# Altium PCB 4090ovo(003).pcbdoc (part 2 of 3)
Units mil, origin at the board's own origin, x right, y up, seen from the top; angles counter-clockwise.
Board outline 18925 x 10730 mil, 6 copper layers (Top Layer, Inner1, Inner2, Inner3, Inner4, Bottom Layer); 77 components, 121 nets, 755 pads, 1164 vias.
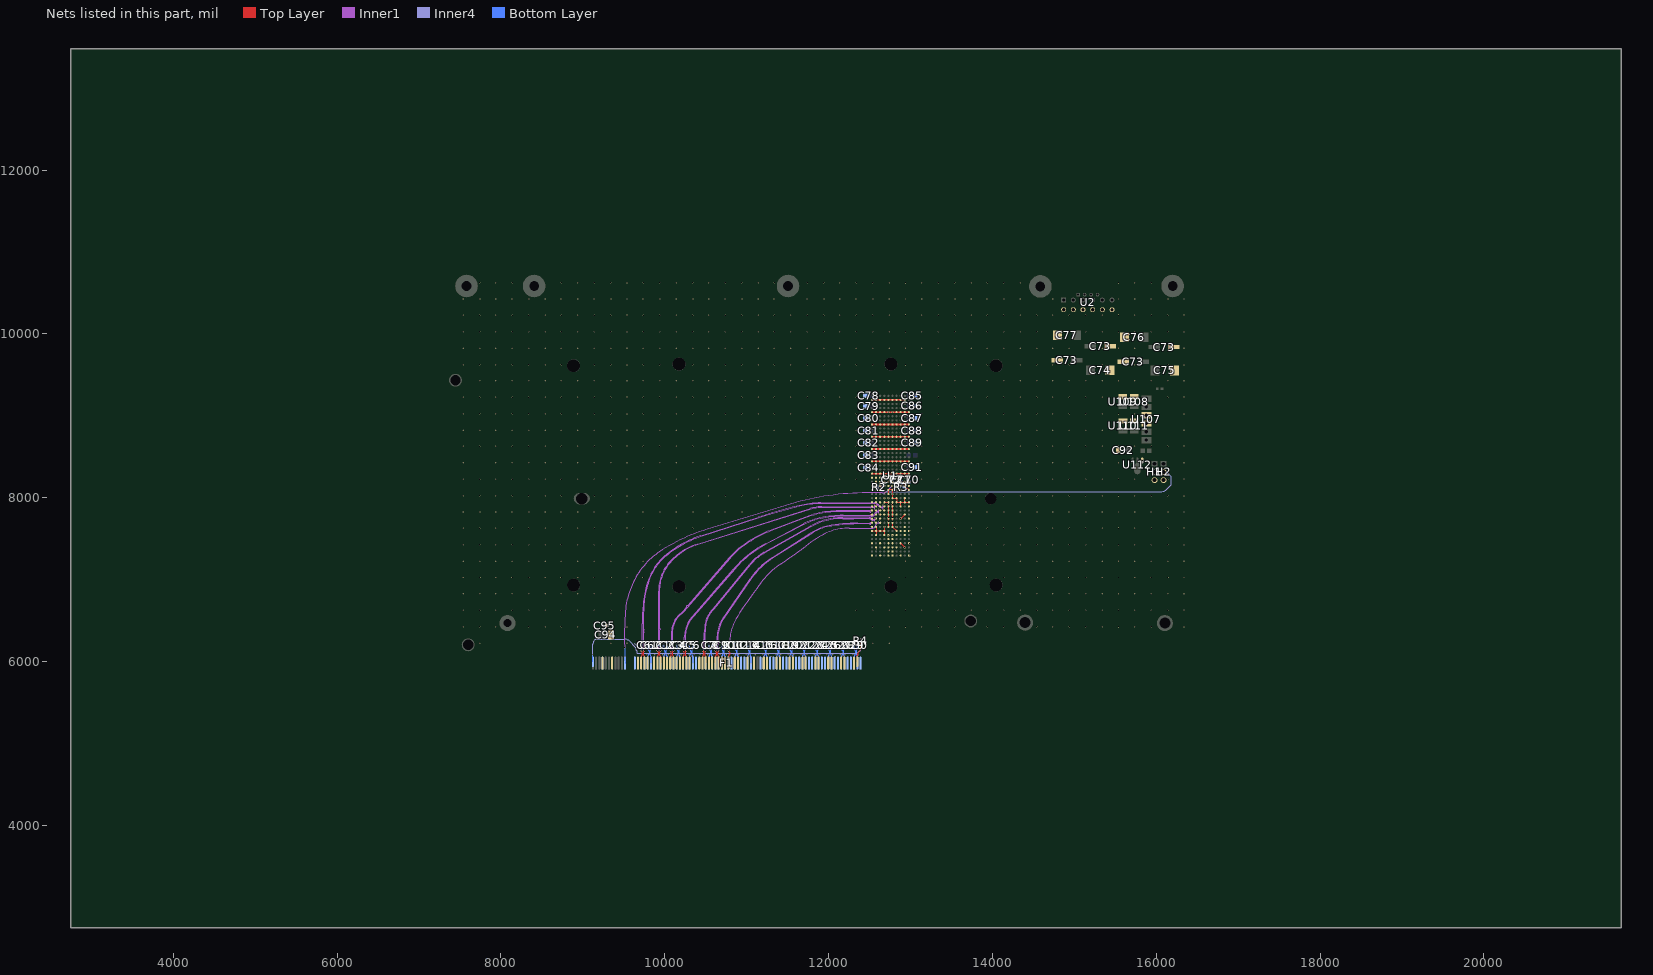
[diagram p6: the nets of this part, all layers, seen from the top]

## Via types
v1: diameter 17.7, hole 11.8, Top Layer to Bottom Layer, 1132 vias
v2: diameter 15, hole 10, Top Layer to Bottom Layer, 32 vias

## Nets (pads, with @x,y where several pads share a name; then routed paths per layer and width w, separated by ;. In a path a pad name is that pad's centre, name@x,y a point inside that pad or via, vN(x,y) a via of type N, cw(c..) or ccw(c..) an arc to the next point about the centre after c; other vN are vias at no path point) (continued)
GND: C70.2 C71.2 C72.2 C73.2 C74.2 C75.2 C76.2 C77.2 C78.2 C79.2 C80.2 C81.2 C82.2 C83.2 C84.2 C85.2 C86.2 C87.2 C88.2 C89.2 C91.2 C92.2 C94.2 C95.2 F1.A4 F1.A12 F1.A15 F1.A18 F1.A20 F1.A23 F1.A24 F1.A27 F1.A28 F1.A31 F1.A34 F1.A37 F1.A38 F1.A41 F1.A42 F1.A45 F1.A46 F1.A49 F1.A51 F1.A54 F1.A55 F1.A58 F1.A59 F1.A62 F1.A63 F1.A66 F1.A67 F1.A70 F1.A71 F1.A74 F1.A75 F1.A78 F1.A79 F1.A82 F1.B4 F1.B7 F1.B13 F1.B16 F1.B18 F1.B21 F1.B22 F1.B25 F1.B26 F1.B29 F1.B32 F1.B35 F1.B36 F1.B39 F1.B40 F1.B43 F1.B44 F1.B47 F1.B49 F1.B52 F1.B53 F1.B56 F1.B57 F1.B60 F1.B61 F1.B64 F1.B65 F1.B68 F1.B69 F1.B72 F1.B73 F1.B76 F1.B77 F1.B80 H1.3 H2.3 R2.2 R3.2 U1.A1 U1.A4 U1.A7 U1.A10 U1.A13 U1.A14 U1.A17 U1.A21 U1.A24 U1.A27 U1.A30 U1.A33 U1.A36 U1.A39 U1.B3 U1.B6 U1.B7 U1.B8 U1.B11 U1.B14 U1.B15 U1.B18 U1.B19 U1.B21 U1.B24 U1.B27 U1.B30 U1.B33 U1.B36 U1.B39 U1.C1 U1.C4 U1.C7 U1.C10 U1.C13 U1.C14 U1.C17 U1.C21 U1.C24 U1.C27 U1.C30 U1.C33 U1.C36 U1.C39 U1.D3 U1.D6 U1.D7 U1.D8 U1.D11 U1.D14 U1.D15 U1.D18 U1.D19 U1.D21 U1.D24 U1.D27 U1.D30 U1.D33 U1.D36 U1.D39 U1.E1 U1.E2 U1.E3 U1.E4 U1.E5 U1.E6 U1.E8 U1.E9 U1.E10 U1.E11 U1.E12 U1.E13 U1.E14 U1.E15 U1.E16 U1.E17 U1.E19 U1.E21 U1.E24 U1.E27 U1.E30 U1.E33 U1.E36 U1.E39 U1.F1 U1.F2 U1.F3 U1.F4 U1.F5 U1.F6 U1.F8 U1.F9 U1.F10 U1.F11 U1.F12 U1.F13 U1.F14 U1.F15 U1.F16 U1.F17 U1.F19 U1.F21 U1.F24 U1.F27 U1.F30 U1.F33 U1.F36 U1.F39 U1.G3 U1.G6 U1.G7 U1.G8 U1.G11 U1.G14 U1.G15 U1.G18 U1.G19 U1.G21 U1.G24 U1.G27 U1.G30 U1.G33 U1.G36 U1.G39 U1.H1 U1.H4 U1.H7 U1.H10 U1.H13 U1.H14 U1.H17 U1.H19 U1.H21 U1.H24 U1.H27 U1.H30 U1.H33 U1.H36 U1.H39 U1.J3 U1.J6 U1.J8 U1.J11 U1.J14 U1.J15 U1.J18 U1.J19 U1.J21 U1.J24 U1.J27 U1.J30 U1.J33 U1.J36 U1.J39 U1.K1 U1.K4 U1.K7 U1.K10 U1.K13 U1.K14 U1.K17 U1.K19 U1.K21 U1.K24 U1.K27 U1.K30 U1.K33 U1.K36 U2.7 U2.8 U2.9 U2.10 U2.11 U2.12 U107.3 U107.4 U108.2 U109.2 U110.2 U111.2 U112.1 | length 5385.1
  Top Layer w4.5: v1(12779.32,7919.42) cw(c12777.67,7917.77) v1@12780.01,7917.77 ; U1.F10@12780.01,7745 v1(12780,7759.4) ; U1.H13@12880.01,7895 U1.H14@12880.01,7945
  Top Layer w10: U1.A7@12530.01,7595 U1.B7@12580.01,7595 ; U1.B6@12580.01,7545 U1.B7@12580.01,7595 ; U1.B8@12580.01,7645 U1.B7@12580.01,7595 ; U1.D6@12680.01,7545 U1.D7@12680.01,7595 ; v1(12680.01,7645) U1.D7@12680.01,7595 ; U1.D14@12680.01,7945 U1.E14@12730.01,7945 v1(12730.01,7919.42) U1.E13@12730.01,7895 U1.E12@12730.01,7845 U1.E11@12730.01,7795 U1.E10@12730.01,7745 U1.E9@12730.01,7695 U1.E8@12730.01,7645 ; U1.E16@12730.01,8045 U1.E17@12730.01,8095 U1.F17@12780.01,8095 ; U1.F10@12780.01,7745 v1(12780.01,7713.62) U1.F9@12780.01,7695 U1.F8@12780.01,7645 U1.G7@12830.01,7595 ; v1(12780,7759.4) U1.F11@12780.01,7795 U1.F12@12780.01,7845 U1.F13@12780.01,7895 12780.01,7917.77 U1.F14@12780.01,7945 ; U1.F19@12780.01,8195 U1.G19@12830.01,8195 ; U1.H4@12880.01,7445 v1(12930.01,7395) ; v1(12880.01,7745) U1.J11@12930.01,7795 ; U1.J15@12930.01,7995 U1.J14@12930.01,7945 ; U1.K14@12980.01,7945 U1.J14@12930.01,7945 ; U1.K17@12980.01,8095 U1.J18@12930.01,8145 U1.J19@12930.01,8195 ; U1.K19@12980.01,8195 U1.J19@12930.01,8195 ; U1.B7@12580.01,7595 U1.C7@12630.01,7595 U1.D7@12680.01,7595 ; U1.F17@12780.01,8095 U1.G18@12830.01,8145 U1.G19@12830.01,8195 ; U1.F17@12780.01,8095 v1(12780.01,8045) U1.F15@12780.01,7995 U1.G15@12830.01,7995 U1.G14@12830.01,7945 U1.H14@12880.01,7945 U1.J14@12930.01,7945 ; U1.G19@12830.01,8195 U1.H19@12880.01,8195 U1.J19@12930.01,8195
  Top Layer w20: U1.A21@12530.01,8295 U1.B21@12580.01,8295 U1.C21@12630.01,8295 U1.D21@12680.01,8295 U1.E21@12730.01,8295 U1.F21@12780.01,8295 U1.G21@12830.01,8295 U1.H21@12880.01,8295 U1.J21@12930.01,8295 U1.K21@12980.01,8295 ; U1.A24@12530.01,8445 U1.B24@12580.01,8445 U1.C24@12630.01,8445 U1.D24@12680.01,8445 U1.E24@12730.01,8445 U1.F24@12780.01,8445 U1.G24@12830.01,8445 U1.H24@12880.01,8445 U1.J24@12930.01,8445 U1.K24@12980.01,8445 ; U1.A27@12530.01,8595 U1.B27@12580.01,8595 U1.C27@12630.01,8595 U1.D27@12680.01,8595 U1.E27@12730.01,8595 U1.F27@12780.01,8595 U1.G27@12830.01,8595 U1.H27@12880.01,8595 U1.J27@12930.01,8595 U1.K27@12980.01,8595 ; U1.A30@12530.01,8745 U1.B30@12580.01,8745 U1.C30@12630.01,8745 U1.D30@12680.01,8745 U1.E30@12730.01,8745 U1.F30@12780.01,8745 U1.G30@12830.01,8745 U1.H30@12880.01,8745 U1.J30@12930.01,8745 U1.K30@12980.01,8745 ; U1.A33@12530.01,8895 U1.B33@12580.01,8895 U1.C33@12630.01,8895 U1.D33@12680.01,8895 U1.E33@12730.01,8895 U1.F33@12780.01,8895 U1.G33@12830.01,8895 U1.H33@12880.01,8895 U1.J33@12930.01,8895 U1.K33@12980.01,8895 ; U1.A36@12530.01,9045 U1.B36@12580.01,9045 U1.C36@12630.01,9045 U1.D36@12680.01,9045 v1(12730.01,9045) v1(12780.01,9045) U1.G36@12830.01,9045 U1.H36@12880.01,9045 U1.J36@12930.01,9045 U1.K36@12980.01,9045 ; U1.A39@12530.01,9195 U1.B39@12580.01,9195 U1.C39@12630.01,9195 U1.D39@12680.01,9195 U1.E39@12730.01,9195 U1.F39@12780.01,9195 U1.G39@12830.01,9195 U1.H39@12880.01,9195 U1.J39@12930.01,9195
  Inner4 w5.1: 9625,6225 9667.93,6182.07 cw(c9650.86,6165) 9675,6165
  other v1: 9780,6082.9 9880,6082.9 9976.03,6082.9 10040.25,6082.9 10133.73,6082.9 10198.32,6082.9 10292.18,6082.9 10360,6082.9 10435,6082.9 10526.25,6082.9 10591.61,6082.9 10678.18,6082.9 10749.3,6082.9 10841.64,6082.9 10905.85,6082.9 10994.71,6082.9 11102.68,6082.9 11195.78,6082.9 11260.76,6082.9 11352.71,6082.9 11418.45,6082.9 11506.93,6082.9 11576.14,6082.9 11668.86,6082.9 11732.7,6082.9 11822.31,6082.9 11890.39,6082.9 11978.11,6082.9 12051.94,6082.9 12141.18,6082.9 12205.4,6082.9 12293.11,6082.9 12370,6085 7738.91,6226.46 9338.91,6226.46 9538.91,6226.46 12538.91,6226.46 12738.91,6226.46 7538.91,6426.46 7738.91,6426.46 7938.91,6426.46 8338.91,6426.46 8538.91,6426.46 8738.91,6426.46 8938.91,6426.46 9138.91,6426.46 9338.91,6426.46 9538.91,6426.46 12538.91,6426.46 12738.91,6426.46 12938.91,6426.46 13138.91,6426.46 13338.91,6426.46 13538.91,6426.46 13938.91,6426.46 14138.91,6426.46 14538.91,6426.46 14738.91,6426.46 14938.91,6426.46 15138.91,6426.46 15338.91,6426.46 15538.91,6426.46 15738.91,6426.46 15938.91,6426.46 16338.91,6426.46 7538.91,6626.46 7738.91,6626.46 7938.91,6626.46 8138.91,6626.46 8338.91,6626.46 8538.91,6626.46 8738.91,6626.46 8938.91,6626.46 9138.91,6626.46 9338.91,6626.46 12338.91,6626.46 12538.91,6626.46 12738.91,6626.46 12938.91,6626.46 13138.91,6626.46 13338.91,6626.46 13538.91,6626.46 13738.91,6626.46 13938.91,6626.46 14138.91,6626.46 14338.91,6626.46 14538.91,6626.46 14738.91,6626.46 14938.91,6626.46 15138.91,6626.46 15338.91,6626.46 15538.91,6626.46 15738.91,6626.46 15938.91,6626.46 16138.91,6626.46 16338.91,6626.46 7538.91,6826.46 7738.91,6826.46 7938.91,6826.46 8138.91,6826.46 8338.91,6826.46 8538.91,6826.46 8738.91,6826.46 8938.91,6826.46 9138.91,6826.46 9338.91,6826.46 12538.91,6826.46 13138.91,6826.46 13338.91,6826.46 13538.91,6826.46 13738.91,6826.46 13938.91,6826.46 14138.91,6826.46 14338.91,6826.46 14538.91,6826.46 14738.91,6826.46 14938.91,6826.46 15138.91,6826.46 15338.91,6826.46 15538.91,6826.46 15738.91,6826.46 15938.91,6826.46 16138.91,6826.46 16338.91,6826.46 7538.91,7026.46 7738.91,7026.46 7938.91,7026.46 8138.91,7026.46 8338.91,7026.46 8538.91,7026.46 8738.91,7026.46 8938.91,7026.46 9138.91,7026.46 9338.91,7026.46 9538.91,7026.46 9738.91,7026.46 12738.91,7026.46 12938.91,7026.46 13138.91,7026.46 13338.91,7026.46 13538.91,7026.46 13738.91,7026.46 13938.91,7026.46 14138.91,7026.46 14338.91,7026.46 14538.91,7026.46 14738.91,7026.46 14938.91,7026.46 15138.91,7026.46 15338.91,7026.46 15538.91,7026.46 15738.91,7026.46 15938.91,7026.46 16138.91,7026.46 16338.91,7026.46 7538.91,7226.46 7738.91,7226.46 7938.91,7226.46 8138.91,7226.46 8338.91,7226.46 8538.91,7226.46 8738.91,7226.46 8938.91,7226.46 9138.91,7226.46 9338.91,7226.46 9538.91,7226.46 9738.91,7226.46 12938.91,7226.46 13138.91,7226.46 13338.91,7226.46 13538.91,7226.46 13738.91,7226.46 13938.91,7226.46 14138.91,7226.46 14338.91,7226.46 14538.91,7226.46 14738.91,7226.46 14938.91,7226.46 15138.91,7226.46 15338.91,7226.46 15538.91,7226.46 15738.91,7226.46 15938.91,7226.46 16138.91,7226.46 16338.91,7226.46 12995.02,7293.4 12580.01,7378.88 7538.91,7426.46 7738.91,7426.46 7938.91,7426.46 8138.91,7426.46 8338.91,7426.46 8538.91,7426.46 8738.91,7426.46 8938.91,7426.46 9138.91,7426.46 9338.91,7426.46 9538.91,7426.46 9738.91,7426.46 9938.91,7426.46 13138.91,7426.46 13338.91,7426.46 13538.91,7426.46 13738.91,7426.46 13938.91,7426.46 14138.91,7426.46 14338.91,7426.46 14538.91,7426.46 14738.91,7426.46 14938.91,7426.46 15138.91,7426.46 15338.91,7426.46 15538.91,7426.46 15738.91,7426.46 15938.91,7426.46 16138.91,7426.46 16338.91,7426.46 12530,7430.56 12990.02,7443.87 12730.01,7532.79 12779.7,7532.79 12990.02,7595 7538.91,7626.46 7738.91,7626.46 7938.91,7626.46 8138.91,7626.46 8338.91,7626.46 8538.91,7626.46 8738.91,7626.46 8938.91,7626.46 9138.91,7626.46 9338.91,7626.46 9538.91,7626.46 9738.91,7626.46 9938.91,7626.46 10138.91,7626.46 10338.91,7626.46 13138.91,7626.46 13338.91,7626.46 13538.91,7626.46 13738.91,7626.46 13938.91,7626.46 14138.91,7626.46 14338.91,7626.46 14538.91,7626.46 14738.91,7626.46 14938.91,7626.46 15138.91,7626.46 15338.91,7626.46 15538.91,7626.46 15738.91,7626.46 15938.91,7626.46 16138.91,7626.46 16338.91,7626.46 12830.01,7645 12730.12,7713.38 12730.11,7759.4 7538.91,7826.46 7738.91,7826.46 7938.91,7826.46 8138.91,7826.46 8338.91,7826.46 8538.91,7826.46 8738.91,7826.46 8938.91,7826.46 9138.91,7826.46 9338.91,7826.46 9538.91,7826.46 9738.91,7826.46 9938.91,7826.46 10138.91,7826.46 10338.91,7826.46 10538.91,7826.46 10738.91,7826.46 10938.91,7826.46 13138.91,7826.46 13338.91,7826.46 13538.91,7826.46 13738.91,7826.46 13938.91,7826.46 14138.91,7826.46 14338.91,7826.46 14538.91,7826.46 14738.91,7826.46 14938.91,7826.46 15138.91,7826.46 15338.91,7826.46 15538.91,7826.46 15738.91,7826.46 15938.91,7826.46 16138.91,7826.46 16338.91,7826.46 12680.01,7995 12730.01,7995 7538.91,8026.46 7738.91,8026.46 7938.91,8026.46 8138.91,8026.46 8338.91,8026.46 8538.91,8026.46 8738.91,8026.46 9138.91,8026.46 9338.91,8026.46 9538.91,8026.46 9738.91,8026.46 9938.91,8026.46 10138.91,8026.46 10338.91,8026.46 10538.91,8026.46 10738.91,8026.46 10938.91,8026.46 11138.91,8026.46 11338.91,8026.46 11538.91,8026.46 11738.91,8026.46 13138.91,8026.46 13338.91,8026.46 13538.91,8026.46 13738.91,8026.46 14138.91,8026.46 14338.91,8026.46 14538.91,8026.46 14738.91,8026.46 14938.91,8026.46 15138.91,8026.46 15338.91,8026.46 15538.91,8026.46 15738.91,8026.46 15938.91,8026.46 16138.91,8026.46 16338.91,8026.46 12730.01,8195 7538.91,8226.46 7738.91,8226.46 7938.91,8226.46 8138.91,8226.46 8338.91,8226.46 8538.91,8226.46 8738.91,8226.46 8938.91,8226.46 9138.91,8226.46 9338.91,8226.46 9538.91,8226.46 9738.91,8226.46 9938.91,8226.46 10138.91,8226.46 10338.91,8226.46 10538.91,8226.46 10738.91,8226.46 10938.91,8226.46 11138.91,8226.46 11338.91,8226.46 11538.91,8226.46 11738.91,8226.46 11938.91,8226.46 12138.91,8226.46 12338.91,8226.46 13138.91,8226.46 13338.91,8226.46 13538.91,8226.46 13738.91,8226.46 13938.91,8226.46 14138.91,8226.46 14338.91,8226.46 14538.91,8226.46 14738.91,8226.46 14938.91,8226.46 15138.91,8226.46 15338.91,8226.46 15538.91,8226.46 15738.91,8226.46 16138.91,8226.46 16338.91,8226.46 7538.91,8426.46 7938.91,8426.46 8138.91,8426.46 8338.91,8426.46 8538.91,8426.46 8738.91,8426.46 8938.91,8426.46 9138.91,8426.46 9338.91,8426.46 9538.91,8426.46 9738.91,8426.46 9938.91,8426.46 10138.91,8426.46 10338.91,8426.46 10538.91,8426.46 10738.91,8426.46 10938.91,8426.46 11138.91,8426.46 11338.91,8426.46 11538.91,8426.46 11738.91,8426.46 11938.91,8426.46 12138.91,8426.46 12338.91,8426.46 13138.91,8426.46 13338.91,8426.46 13538.91,8426.46 13738.91,8426.46 13938.91,8426.46 14138.91,8426.46 14338.91,8426.46 14538.91,8426.46 14738.91,8426.46 14938.91,8426.46 15138.91,8426.46 15338.91,8426.46 15538.91,8426.46 16338.91,8426.46 15829.1,8454.2 7538.91,8626.46 7738.91,8626.46 7938.91,8626.46 8138.91,8626.46 8338.91,8626.46 8538.91,8626.46 8738.91,8626.46 8938.91,8626.46 9138.91,8626.46 9338.91,8626.46 9538.91,8626.46 9738.91,8626.46 9938.91,8626.46 10138.91,8626.46 10338.91,8626.46 10538.91,8626.46 10738.91,8626.46 10938.91,8626.46 11138.91,8626.46 11338.91,8626.46 11538.91,8626.46 11738.91,8626.46 11938.91,8626.46 12138.91,8626.46 12338.91,8626.46 13138.91,8626.46 13338.91,8626.46 13538.91,8626.46 13738.91,8626.46 13938.91,8626.46 14138.91,8626.46 14338.91,8626.46 14538.91,8626.46 14738.91,8626.46 14938.91,8626.46 15138.91,8626.46 15338.91,8626.46 15538.91,8626.46 15738.91,8626.46 15938.91,8626.46 16138.91,8626.46 16338.91,8626.46 7538.91,8826.46 7738.91,8826.46 7938.91,8826.46 8138.91,8826.46 8338.91,8826.46 8538.91,8826.46 8738.91,8826.46 8938.91,8826.46 9138.91,8826.46 9338.91,8826.46 9538.91,8826.46 9738.91,8826.46 9938.91,8826.46 10138.91,8826.46 10338.91,8826.46 10538.91,8826.46 10738.91,8826.46 10938.91,8826.46 11138.91,8826.46 11338.91,8826.46 11538.91,8826.46 11738.91,8826.46 11938.91,8826.46 12138.91,8826.46 12338.91,8826.46 13138.91,8826.46 13338.91,8826.46 13538.91,8826.46 13738.91,8826.46 13938.91,8826.46 14138.91,8826.46 14338.91,8826.46 14538.91,8826.46 14738.91,8826.46 14938.91,8826.46 15138.91,8826.46 15338.91,8826.46 16338.91,8826.46 7538.91,9026.46 7738.91,9026.46 7938.91,9026.46 8138.91,9026.46 8338.91,9026.46 8538.91,9026.46 8738.91,9026.46 8938.91,9026.46 9138.91,9026.46 9338.91,9026.46 9538.91,9026.46 9738.91,9026.46 9938.91,9026.46 10138.91,9026.46 10338.91,9026.46 10538.91,9026.46 10738.91,9026.46 10938.91,9026.46 11138.91,9026.46 11338.91,9026.46 11538.91,9026.46 11738.91,9026.46 11938.91,9026.46 12138.91,9026.46 12338.91,9026.46 13138.91,9026.46 13338.91,9026.46 13538.91,9026.46 13738.91,9026.46 13938.91,9026.46 14138.91,9026.46 14338.91,9026.46 14538.91,9026.46 14738.91,9026.46 14938.91,9026.46 15138.91,9026.46 15338.91,9026.46 15538.91,9026.46 15738.91,9026.46 16338.91,9026.46 7538.91,9226.46 7738.91,9226.46 7938.91,9226.46 8138.91,9226.46 8338.91,9226.46 8538.91,9226.46 8738.91,9226.46 8938.91,9226.46 9138.91,9226.46 9338.91,9226.46 9538.91,9226.46 9738.91,9226.46 9938.91,9226.46 10138.91,9226.46 10338.91,9226.46 10538.91,9226.46 10738.91,9226.46 10938.91,9226.46 11138.91,9226.46 11338.91,9226.46 11538.91,9226.46 11738.91,9226.46 11938.91,9226.46 12138.91,9226.46 12338.91,9226.46 13138.91,9226.46 13338.91,9226.46 13538.91,9226.46 13738.91,9226.46 13938.91,9226.46 14138.91,9226.46 14338.91,9226.46 14538.91,9226.46 14738.91,9226.46 14938.91,9226.46 15138.91,9226.46 15338.91,9226.46 16138.91,9226.46 16338.91,9226.46 7738.91,9426.46 7938.91,9426.46 8138.91,9426.46 8338.91,9426.46 8538.91,9426.46 8738.91,9426.46 8938.91,9426.46 9138.91,9426.46 9338.91,9426.46 9538.91,9426.46 9738.91,9426.46 9938.91,9426.46 10138.91,9426.46 10338.91,9426.46 10538.91,9426.46 10738.91,9426.46 10938.91,9426.46 11138.91,9426.46 11338.91,9426.46 11538.91,9426.46 11738.91,9426.46 11938.91,9426.46 12138.91,9426.46 12338.91,9426.46 12538.91,9426.46 12738.91,9426.46 12938.91,9426.46 13138.91,9426.46 13338.91,9426.46 13538.91,9426.46 13738.91,9426.46 13938.91,9426.46 14138.91,9426.46 14338.91,9426.46 14538.91,9426.46 14738.91,9426.46 14938.91,9426.46 15138.91,9426.46 15338.91,9426.46 15538.91,9426.46 15738.91,9426.46 15938.91,9426.46 16138.91,9426.46 16338.91,9426.46 7538.91,9626.46 7738.91,9626.46 7938.91,9626.46 8138.91,9626.46 8338.91,9626.46 8538.91,9626.46 8738.91,9626.46 9138.91,9626.46 9338.91,9626.46 9538.91,9626.46 9738.91,9626.46 9938.91,9626.46 10338.91,9626.46 10538.91,9626.46 10738.91,9626.46 10938.91,9626.46 11138.91,9626.46 11338.91,9626.46 11538.91,9626.46 11738.91,9626.46 11938.91,9626.46 12138.91,9626.46 12338.91,9626.46 12538.91,9626.46 12938.91,9626.46 13138.91,9626.46 13338.91,9626.46 13538.91,9626.46 13738.91,9626.46 13938.91,9626.46 14338.91,9626.46 14538.91,9626.46 14738.91,9626.46 14938.91,9626.46 15338.91,9626.46 15738.91,9626.46 16138.91,9626.46 16338.91,9626.46 7538.91,9826.46 7738.91,9826.46 7938.91,9826.46 8138.91,9826.46 8338.91,9826.46 8538.91,9826.46 8738.91,9826.46 8938.91,9826.46 9138.91,9826.46 9338.91,9826.46 9538.91,9826.46 9738.91,9826.46 9938.91,9826.46 10138.91,9826.46 10338.91,9826.46 10538.91,9826.46 10738.91,9826.46 10938.91,9826.46 11138.91,9826.46 11338.91,9826.46 11538.91,9826.46 11738.91,9826.46 11938.91,9826.46 12138.91,9826.46 12338.91,9826.46 12538.91,9826.46 12738.91,9826.46 12938.91,9826.46 13138.91,9826.46 13338.91,9826.46 13538.91,9826.46 13738.91,9826.46 13938.91,9826.46 14138.91,9826.46 14338.91,9826.46 14538.91,9826.46 14738.91,9826.46 14938.91,9826.46 15338.91,9826.46 15538.91,9826.46 15738.91,9826.46 16338.91,9826.46 7538.91,10026.46 7738.91,10026.46 7938.91,10026.46 8138.91,10026.46 8338.91,10026.46 8538.91,10026.46 8738.91,10026.46 8938.91,10026.46 9138.91,10026.46 9338.91,10026.46 9538.91,10026.46 9738.91,10026.46 9938.91,10026.46 10138.91,10026.46 10338.91,10026.46 10538.91,10026.46 10738.91,10026.46 10938.91,10026.46 11138.91,10026.46 11338.91,10026.46 11538.91,10026.46 11738.91,10026.46 11938.91,10026.46 12138.91,10026.46 12338.91,10026.46 12538.91,10026.46 12738.91,10026.46 12938.91,10026.46 13138.91,10026.46 13338.91,10026.46 13538.91,10026.46 13738.91,10026.46 13938.91,10026.46 14138.91,10026.46 14338.91,10026.46 14538.91,10026.46 14938.91,10026.46 15138.91,10026.46 15338.91,10026.46 15538.91,10026.46 15738.91,10026.46 15938.91,10026.46 16138.91,10026.46 16338.91,10026.46 7538.91,10226.46 7738.91,10226.46 7938.91,10226.46 8138.91,10226.46 8338.91,10226.46 8538.91,10226.46 8738.91,10226.46 8938.91,10226.46 9138.91,10226.46 9338.91,10226.46 9538.91,10226.46 9738.91,10226.46 9938.91,10226.46 10138.91,10226.46 10338.91,10226.46 10538.91,10226.46 10738.91,10226.46 10938.91,10226.46 11138.91,10226.46 11338.91,10226.46 11538.91,10226.46 11738.91,10226.46 11938.91,10226.46 12138.91,10226.46 12338.91,10226.46 12538.91,10226.46 12738.91,10226.46 12938.91,10226.46 13138.91,10226.46 13338.91,10226.46 13538.91,10226.46 13738.91,10226.46 13938.91,10226.46 14138.91,10226.46 14338.91,10226.46 14538.91,10226.46 14738.91,10226.46 14938.91,10226.46 15138.91,10226.46 15338.91,10226.46 15538.91,10226.46 15738.91,10226.46 15938.91,10226.46 16138.91,10226.46 16338.91,10226.46 7538.91,10426.46 7738.91,10426.46 7938.91,10426.46 8138.91,10426.46 8338.91,10426.46 8538.91,10426.46 8738.91,10426.46 8938.91,10426.46 9138.91,10426.46 9338.91,10426.46 9538.91,10426.46 9738.91,10426.46 9938.91,10426.46 10138.91,10426.46 10338.91,10426.46 10538.91,10426.46 10738.91,10426.46 10938.91,10426.46 11138.91,10426.46 11338.91,10426.46 11738.91,10426.46 11938.91,10426.46 12138.91,10426.46 12338.91,10426.46 12538.91,10426.46 12738.91,10426.46 12938.91,10426.46 13138.91,10426.46 13338.91,10426.46 13538.91,10426.46 13738.91,10426.46 13938.91,10426.46 14138.91,10426.46 14338.91,10426.46 14738.91,10426.46 15538.91,10426.46 15738.91,10426.46 15938.91,10426.46 16138.91,10426.46 16338.91,10426.46 7738.91,10626.46 7938.91,10626.46 8138.91,10626.46 8738.91,10626.46 8938.91,10626.46 9138.91,10626.46 9338.91,10626.46 9538.91,10626.46 9738.91,10626.46 9938.91,10626.46 10138.91,10626.46 10338.91,10626.46 10538.91,10626.46 10738.91,10626.46 10938.91,10626.46 11138.91,10626.46 11338.91,10626.46 11738.91,10626.46 11938.91,10626.46 12138.91,10626.46 12338.91,10626.46 12538.91,10626.46 12738.91,10626.46 12938.91,10626.46 13138.91,10626.46 13338.91,10626.46 13538.91,10626.46 13738.91,10626.46 13938.91,10626.46 14138.91,10626.46 14338.91,10626.46 15538.91,10626.46 15738.91,10626.46 15938.91,10626.46
  other v2: 9731.63,6063.46 9810.83,6063.25 9928.94,6062.74 10086.51,6062.61 10637.65,6063.42 10952.57,6063.36 11149.39,6063.33 11306.79,6063.25 11779.27,6063.29 12094.31,6063.38 10244.09,6063.59 10480.33,6063.56 10795.29,6063.56 11464.59,6063.55 11622.07,6063.55 11937.01,6063.56 12251.97,6063.56 10007.67,6065 10165.07,6065 10322.3,6065 10715.45,6065 10874.71,6065 11029.91,6065 11230.03,6065 11384.69,6065 11542.17,6065 11699.91,6065 11857.47,6065 12015.38,6065 12175.14,6065 12330,6065 10560.25,6065.56
I2CADDR0: R3.1 U1.H18 | length 24
  Top Layer w5.07: v1(12861.95,8130) ccw(c12861.95,8137.39) 12867.17,8132.16 U1.H18@12880.01,8145
I2CADDR1: R2.1 U1.C18 | length 25.7
  Top Layer w5.07: U1.C18@12630.01,8145 12641.48,8133.53 ccw(c12650,8142.05) v1(12650,8130)
JTAG_SEL: U1.C19
JTAG_TCLK: U1.C20
JTAG_TDI: U1.E20
JTAG_TDO: U1.D20
JTAG_TMS: U1.B20
JTAG_TRST#: U1.A20
PCIET0+: C61.1 F1.A16 | length 206.3
  Bottom Layer w5.9: C61.1@9790,6178.54 9790,6169.5 ccw(c9819.96,6169.5) 9798.77,6148.31 ; F1.A16@9791.35,5981.22 9791.35,6059.11 cw(c9820.89,6059.11) 9800,6080 ccw(c9781.77,6098.23) 9807.55,6098.23 9807.55,6127.13 ccw(c9777.59,6127.13) 9798.78,6148.31
PCIET0-: C62.1 F1.A17 | length 205.6
  Bottom Layer w5.9: 9826.22,6148.31 ccw(c9847.41,6127.13) 9817.45,6127.13 9817.45,6098.23 ccw(c9843.23,6098.23) 9825,6080 cw(c9811.2,6066.2) 9830.72,6066.2 F1.A17@9830.72,5981.22 ; 9826.23,6148.31 ccw(c9805.04,6169.5) 9835,6169.5 C62.1@9835,6178.54
PCIET1+: C1.1 F1.A21 | length 205.8
  Bottom Layer w5.9: C1.1@9985,6178.54 9985,6169.5 ccw(c10014.96,6169.5) 9993.77,6148.31 ; F1.A21@9988.2,5981.22 9988.2,6065.64 cw(c9994.36,6065.64) 9990,6070 ccw(c9959.7,6100.3) 10002.55,6100.3 10002.55,6127.13 ccw(c9972.59,6127.13) 9993.78,6148.31
PCIET1-: C2.1 F1.A22 | length 206
  Bottom Layer w5.9: 10021.22,6148.31 ccw(c10042.41,6127.13) 10012.45,6127.13 10012.45,6100.3 ccw(c10055.3,6100.3) 10025,6070 cw(c10018.81,6063.81) 10027.57,6063.81 F1.A22@10027.57,5981.22 ; 10021.23,6148.31 ccw(c10000.04,6169.5) 10030,6169.5 C2.1@10030,6178.54
PCIET2+: C3.1 F1.A25 | length 205.2
  Bottom Layer w5.9: C3.1@10145,6178.54 10145,6167.73 ccw(c10170.69,6167.73) 10152.53,6149.56 ; F1.A25@10145.68,5981.22 10145.68,6065.51 cw(c10158.14,6065.51) 10146.93,6070.96 ccw(c10133.73,6082.9) 10149.33,6074.33 ccw(c10123.43,6100.22) 10160.05,6100.22 10160.05,6131.4 ccw(c10134.36,6131.4) 10152.52,6149.56
PCIET2-: C4.1 F1.A26 | length 205.4
  Bottom Layer w5.9: 10177.47,6149.56 ccw(c10159.31,6167.73) 10185,6167.73 C4.1@10185,6178.54 ; 10177.48,6149.56 ccw(c10195.64,6131.4) 10169.95,6131.4 10169.95,6099.26 ccw(c10204.26,6099.26) 10180,6075 cw(c10167.82,6062.82) 10185.05,6062.82 F1.A26@10185.05,5981.22
PCIET3+: C5.1 F1.A29 | length 205.9
  Bottom Layer w5.9: C5.1@10300,6178.54 10300,6169.5 ccw(c10329.96,6169.5) 10308.77,6148.31 ; F1.A29@10303.16,5981.22 10303.16,6063.47 cw(c10317.42,6063.47) 10305.09,6070.64 ccw(c10292.18,6082.9) 10307.33,6073.56 ccw(c10282.67,6098.23) 10317.55,6098.23 10317.55,6127.13 ccw(c10287.59,6127.13) 10308.78,6148.31
PCIET3-: C6.1 F1.A30 | length 206
  Bottom Layer w5.9: 10336.22,6148.31 ccw(c10357.41,6127.13) 10327.45,6127.13 10327.45,6105.3 ccw(c10370.3,6105.3) 10340,6075 cw(c10333.9,6068.9) 10342.53,6068.9 F1.A30@10342.53,5981.22 ; 10336.23,6148.31 ccw(c10315.04,6169.5) 10345,6169.5 C6.1@10345,6178.54
PCIET4+: C7.1 F1.A35 | length 205.5
  Bottom Layer w5.9: F1.A35@10539.38,5981.22 10539.38,6061.42 cw(c10558.58,6061.42) 10545,6075 ccw(c10520.74,6099.26) 10555.05,6099.26 10555.05,6131.4 ccw(c10529.36,6131.4) 10547.52,6149.56 ; C7.1@10540,6178.54 10540,6167.73 ccw(c10565.69,6167.73) 10547.53,6149.56
PCIET4-: C8.1 F1.A36 | length 205
  Bottom Layer w5.9: 10572.47,6149.56 ccw(c10554.31,6167.73) 10580,6167.73 C8.1@10580,6178.54 ; 10572.48,6149.56 ccw(c10590.64,6131.4) 10564.95,6131.4 10564.95,6099.26 ccw(c10599.26,6099.26) 10575,6075 cw(c10565.96,6065.96) 10578.75,6065.96 F1.A36@10578.75,5981.22
PCIET5+: C9.1 F1.A39 | length 204.9
  Bottom Layer w5.9: C9.1@10695,6178.54 10695,6167.73 ccw(c10720.69,6167.73) 10702.53,6149.56 ; F1.A39@10696.86,5981.22 10696.86,6067.41 cw(c10707.59,6067.41) 10700,6075 ccw(c10675.74,6099.26) 10710.05,6099.26 10710.05,6131.4 ccw(c10684.36,6131.4) 10702.52,6149.56
PCIET5-: C10.1 F1.A40 | length 205.7
  Bottom Layer w5.9: 10727.47,6149.56 ccw(c10709.31,6167.73) 10735,6167.73 C10.1@10735,6178.54 ; 10727.48,6149.56 ccw(c10745.64,6131.4) 10719.95,6131.4 10719.95,6097.19 ccw(c10737.19,6097.19) 10725,6085 cw(c10697.9,6057.9) 10736.23,6057.9 F1.A40@10736.23,5981.22
PCIET6+: C11.1 F1.A43 | length 205.5
  Bottom Layer w5.9: F1.A43@10854.34,5981.22 10854.34,6061.32 cw(c10873.68,6061.32) 10860,6075 ccw(c10835.74,6099.26) 10870.05,6099.26 10870.05,6131.4 ccw(c10844.36,6131.4) 10862.52,6149.56 ; C11.1@10855,6178.54 10855,6167.73 ccw(c10880.69,6167.73) 10862.53,6149.56
PCIET6-: C12.1 F1.A44 | length 208
  Bottom Layer w5.9: 10887.47,6149.56 ccw(c10869.31,6167.73) 10895,6167.73 C12.1@10895,6178.54 ; 10887.48,6149.56 ccw(c10905.64,6131.4) 10879.95,6131.4 10879.95,6100.48 ccw(c10920.41,6100.48) 10891.8,6071.87 10892.23,6071.44 ccw(c10905.85,6082.9) 10894.39,6069.28 cw(c10884.32,6059.21) 10898.57,6059.21 10898.57,5992.96 cw(c10881.97,5992.96) F1.A44@10893.71,5981.22
PCIET7+: C13.1 F1.A47 | length 204.9
  Bottom Layer w5.9: C13.1@11010,6178.54 11010,6167.73 ccw(c11035.69,6167.73) 11017.53,6149.56 ; F1.A47@11011.82,5981.22 11011.82,6067.31 cw(c11022.69,6067.31) 11015,6075 ccw(c10990.74,6099.26) 11025.05,6099.26 11025.05,6131.4 ccw(c10999.36,6131.4) 11017.52,6149.56
PCIET7-: C14.1 F1.A48 | length 205.7
  Bottom Layer w5.9: 11042.47,6149.56 ccw(c11024.31,6167.73) 11050,6167.73 C14.1@11050,6178.54 ; 11042.48,6149.56 ccw(c11060.64,6131.4) 11034.95,6131.4 11034.95,6104.26 ccw(c11069.26,6104.26) 11045,6080 cw(c11030.07,6065.07) 11051.19,6065.07 F1.A48@11051.19,5981.22
PCIET8+: C15.1 F1.A52 | length 205.7
  Bottom Layer w5.9: F1.A52@11208.67,5981.22 11208.67,6052.64 cw(c11247.36,6052.64) 11220,6080 ccw(c11207.81,6092.19) 11225.05,6092.19 11225.05,6131.4 ccw(c11199.36,6131.4) 11217.52,6149.56 ; C15.1@11210,6178.54 11210,6167.73 ccw(c11235.69,6167.73) 11217.53,6149.56
PCIET8-: C16.1 F1.A53 | length 204.8
  Bottom Layer w5.9: 11242.47,6149.56 ccw(c11224.31,6167.73) 11250,6167.73 C16.1@11250,6178.54 ; 11242.48,6149.56 ccw(c11260.64,6131.4) 11234.95,6131.4 11234.95,6092.19 ccw(c11252.19,6092.19) 11240,6080 cw(c11220.6,6060.6) 11248.04,6060.6 F1.A53@11248.04,5981.22
PCIET9+: C17.1 F1.A56 | length 205.5
  Bottom Layer w5.9: C17.1@11365,6178.54 11365,6167.73 ccw(c11390.69,6167.73) 11372.53,6149.56 ; F1.A56@11366.15,5981.22 11366.15,6065.69 cw(c11379.31,6065.69) 11370,6075 11373.01,6078.01 ccw(c11356.03,6095) 11380.05,6095 11380.05,6131.4 ccw(c11354.36,6131.4) 11372.52,6149.56
PCIET9-: C18.1 F1.A57 | length 205.9
  Bottom Layer w5.9: 11397.47,6149.56 ccw(c11379.31,6167.73) 11405,6167.73 C18.1@11405,6178.54 ; 11397.48,6149.56 ccw(c11415.64,6131.4) 11389.95,6131.4 11389.95,6095 ccw(c11413.97,6095) 11396.99,6078.01 11400,6075 cw(c11386.68,6061.68) 11405.52,6061.68 F1.A57@11405.52,5981.22
PCIET10+: C19.1 F1.A60 | length 205.7
  Bottom Layer w5.9: C19.1@11520,6178.54 11520,6169.5 ccw(c11549.96,6169.5) 11528.77,6148.31 ; F1.A60@11523.63,5981.22 11523.63,6064.61 cw(c11545.39,6064.61) 11530,6080 ccw(c11511.77,6098.23) 11537.55,6098.23 11537.55,6127.13 ccw(c11507.59,6127.13) 11528.78,6148.31
PCIET10-: C20.1 F1.A61 | length 206.9
  Bottom Layer w5.9: 11556.22,6148.31 ccw(c11577.41,6127.13) 11547.45,6127.13 11547.45,6098.23 ccw(c11573.23,6098.23) 11555,6080 11560,6075 cw(c11552.77,6067.77) 11560.42,6074.55 ccw(c11576.14,6082.9) 11562.09,6071.98 cw(c11552.77,6067.77) 11563,6067.77 F1.A61@11563,5981.22 ; 11556.23,6148.31 ccw(c11535.04,6169.5) 11565,6169.5 C20.1@11565,6178.54
PCIET11+: C21.1 F1.A64 | length 205.1
  Bottom Layer w5.9: C21.1@11680,6178.54 11680,6167.73 ccw(c11705.69,6167.73) 11687.53,6149.56 ; F1.A64@11681.11,5981.22 11681.11,6065.6 cw(c11694.4,6065.6) 11682.43,6071.38 ccw(c11668.86,6082.9) 11684.59,6074.57 cw(c11694.4,6065.6) 11685,6075 ccw(c11660.74,6099.26) 11695.05,6099.26 11695.05,6131.4 ccw(c11669.36,6131.4) 11687.52,6149.56
PCIET11-: C22.1 F1.A65 | length 205.5
  Bottom Layer w5.9: 11712.47,6149.56 ccw(c11694.31,6167.73) 11720,6167.73 C22.1@11720,6178.54 ; 11712.48,6149.56 ccw(c11730.64,6131.4) 11704.95,6131.4 11704.95,6092.19 ccw(c11722.19,6092.19) 11710,6080 cw(c11684.71,6054.71) 11720.48,6054.71 F1.A65@11720.48,5981.22
PCIET12+: C23.1 F1.A68 | length 205.7
  Bottom Layer w5.9: C23.1@11835,6178.54 11835,6169.5 ccw(c11864.96,6169.5) 11843.77,6148.31 ; F1.A68@11838.59,5981.22 11838.59,6064.51 cw(c11860.49,6064.51) 11845,6080 ccw(c11826.77,6098.23) 11852.55,6098.23 11852.55,6127.13 ccw(c11822.59,6127.13) 11843.78,6148.31
PCIET12-: C24.1 F1.A69 | length 206.7
  Bottom Layer w5.9: 11871.22,6148.31 ccw(c11892.41,6127.13) 11862.45,6127.13 11862.45,6095 ccw(c11892.51,6095) 11867.93,6077.7 cw(c11857.47,6065) 11871.64,6073.36 11875,6070 cw(c11867.87,6062.87) 11877.96,6062.87 F1.A69@11877.96,5981.22 ; 11871.23,6148.31 ccw(c11850.04,6169.5) 11880,6169.5 C24.1@11880,6178.54
PCIET13+: C25.1 F1.A72 | length 205.1
  Bottom Layer w5.9: C25.1@11995,6178.54 11995,6167.73 ccw(c12020.69,6167.73) 12002.53,6149.56 ; F1.A72@11996.07,5981.22 11996.07,6065.5 cw(c12009.5,6065.5) 12000,6075 ccw(c11975.74,6099.26) 12010.05,6099.26 12010.05,6131.4 ccw(c11984.36,6131.4) 12002.52,6149.56
PCIET13-: C26.1 F1.A73 | length 205.5
  Bottom Layer w5.9: 12027.47,6149.56 ccw(c12009.31,6167.73) 12035,6167.73 C26.1@12035,6178.54 ; 12027.48,6149.56 ccw(c12045.64,6131.4) 12019.95,6131.4 12019.95,6104.26 ccw(c12054.26,6104.26) 12030,6080 cw(c12016.88,6066.88) 12035.44,6066.88 F1.A73@12035.44,5981.22
PCIET14+: C27.1 F1.A76 | length 205.8
  Bottom Layer w5.9: F1.A76@12153.55,5981.22 12153.55,6052.35 cw(c12192.65,6052.35) 12165,6080 ccw(c12152.81,6092.19) 12170.05,6092.19 12170.05,6131.4 ccw(c12144.36,6131.4) 12162.52,6149.56 ; C27.1@12155,6178.54 12155,6167.73 ccw(c12180.69,6167.73) 12162.53,6149.56
PCIET14-: C28.1 F1.A77 | length 204.8
  Bottom Layer w5.9: 12187.47,6149.56 ccw(c12169.31,6167.73) 12195,6167.73 C28.1@12195,6178.54 ; 12187.48,6149.56 ccw(c12205.64,6131.4) 12179.95,6131.4 12179.95,6092.19 ccw(c12197.19,6092.19) 12185,6080 cw(c12165.89,6060.89) 12192.92,6060.89 F1.A77@12192.92,5981.22
PCIET15+: C29.1 F1.A80 | length 209.6
  Bottom Layer w5.9: C29.1@12310,6178.54 12304.59,6173.13 12310,6167.73 ccw(c12335.69,6167.73) 12317.53,6149.56 ; F1.A80@12311.03,5981.22 12311.03,6058.33 cw(c12341.67,6058.33) 12320,6080 ccw(c12307.81,6092.19) 12325.05,6092.19 12325.05,6131.4 ccw(c12299.36,6131.4) 12317.52,6149.56
PCIET15-: C30.1 F1.A81 | length 205.5
  Bottom Layer w5.9: 12342.47,6149.56 ccw(c12324.31,6167.73) 12350,6167.73 C30.1@12350,6178.54 ; 12342.48,6149.56 ccw(c12360.64,6131.4) 12334.95,6131.4 12334.95,6104.26 ccw(c12369.26,6104.26) 12345,6080 cw(c12331.97,6066.97) 12350.4,6066.97 F1.A81@12350.4,5981.22
PERST#: F1.A11 U1.F18 | length 4492.7
  Inner1 w5.9: v1@9510,6175 cw(c13930.29,6322.96) 9515,6580 cw(c10566.77,6518.77) 9565,6845 cw(c10486.72,6544.84) 9970,7365 cw(c11161.35,5474.04) 10520,7615 11655,7955 cw(c12470,4844.53) 12470,8060 12653.59,8060 ccw(c12653.59,8160) 12724.3,8089.29 v1(12780.01,8145)
  Bottom Layer w4.5: v1(9510,6170) ccw(c12608.98,6170) F1.A11@9515.76,5981.22
PRSNT1: F1.A1 R4.1 | length 3758.9
  Inner4 w4.5: v1(9122.05,6086.18) 9122.05,6209.6 cw(c9200.4,6209.6) 9145,6265 cw(c9169.14,6240.86) 9169.14,6275 9503.58,6275 cw(c9503.58,6175) 9574.29,6245.71 9630.25,6189.75 cw(c9570.5,6130) 9655,6130 9655,6124.14 ccw(c9689.14,6124.14) 9665,6100 12311.72,6100 ccw(c12311.72,6192.43) 12377.07,6127.07 12385,6135 ccw(c12360.86,6159.14) 12395,6159.14 v1(12395,6270)
  Bottom Layer w5.1: F1.A1@9122.05,5997.22 v1@9122.05,6085
PRSNT2: F1.B81 R4.2 | length 252.7
  Top Layer w4.5: F1.B81@12350.4,5997.22 12350.4,6072.67 cw(c12417.33,6072.67) 12370,6120 ccw(c12309.64,6180.36) 12395,6180.36 R4.2@12395,6237.96
PRSNT2#_SXM: U1.J7
PWR_BRAKE#: U1.E18
PWR_EN: H2.2 U1.A18 | length 3917.4
  Inner4 w4.5: v1(12530.01,8142.54) 12541.04,8142.54 cw(c12541.03,8042.54) 12611.75,8113.25 12620.71,8104.29 ccw(c12691.42,8175) 12691.42,8075 16058.58,8075 ccw(c16058.58,8175) 16129.29,8104.29 16175,8150 ccw(c16150.86,8174.14) 16185,8174.14 16185,8235 ccw(c16124.64,8235) 16167.32,8277.68 16149.75,8295.25 ccw(c16090,8235.5) H2.2@16090,8320
PWR_GOOD: U1.K18
RX0+: F1.B14 U1.D13 | length 4245.3
  Top Layer w5.1: v1(9710,6135) 9714.85,6130.15 cw(c9684.71,6100) 9727.34,6100 9727.34,6092.28 cw(c9702.19,6092.28) 9719.97,6074.49 ccw(c9737.76,6056.7) 9712.61,6056.7 F1.B14@9712.61,5981.22
  Top Layer w5.9: v1(12669.46,7911.69) 12669.46,7905.54 ccw(c12680.01,7905.54) U1.D13@12680.01,7895
  Inner1 w5.9: v1(9710,6135) ccw(c9672.65,6172.35) 9725.47,6172.35 9725.47,6465 cw(c12506.54,6465) 9735,6695 cw(c10828.27,6620.05) 9810,7025 cw(c10433.91,6776.88) 9995,7285 cw(c10829.23,6319.22) 10437.2,7533.71 11140,7760 cw(c13505.21,414.24) 11670,7910 cw(c11905,6950.16) 11905,7938.35 12555,7940 cw(c12555.22,7865.45) 12615,7910 ccw(c12654.95,7939.78) 12654.95,7889.95 ; 12655,7890 ccw(c12655,7904.46) 12669.46,7904.46 v1(12669.46,7911.69)
RX0-: F1.B15 U1.D12 | length 4240.9
  Top Layer w5.07: v1(12669.46,7860.97) ccw(c12712.51,7877.93) U1.D12@12680.01,7845
  Top Layer w5.1: v1(9750.85,6135) ccw(c9783.69,6102.15) 9737.24,6102.15 9737.24,6092.28 ccw(c9762.39,6092.28) 9744.61,6074.49 cw(c9726.82,6056.7) 9751.98,6056.7 F1.B15@9751.98,5981.22
  Inner1 w5.9: v1(9750.85,6135) cw(c9788.2,6172.35) 9735.37,6172.35 9735.37,6347.34 9739.54,6351.51 9740.83,6351.51 9745,6355.68 9745,6362.34 9740.83,6366.51 9739.54,6366.51 9735.37,6370.68 9735.37,6377.34 9739.54,6381.51 9740.83,6381.51 9745,6385.68 9745,6392.34 9740.83,6396.51 9739.54,6396.51 9735.37,6400.68 9735.37,6465 cw(c12506.79,6465) 9744.88,6694.32 cw(c10828.27,6620.05) 9819.2,7021.34 cw(c10433.91,6776.88) 10001.47,7277.51 cw(c10829.23,6319.22) 10440.24,7524.29 11143.03,7750.58 cw(c13505.21,414.24) 11672.36,7900.38 cw(c11905,6950.16) 11905,7928.45 12555.03,7930.1 cw(c12555.22,7865.45) 12607.06,7904.08 ccw(c12654.95,7939.78) 12654.95,7880.05 ; 12655,7880 cw(c12655,7865.54) 12669.46,7865.54 v1(12669.46,7860.97)
RX1+: F1.B19 U1.B13 | length 3958.2
  Top Layer w5.07: v1(12565,7910) U1.B13@12580.01,7895
  Top Layer w5.1: F1.B19@9909.46,5981.22 9909.46,6056.7 cw(c9934.61,6056.7) 9916.82,6074.49 ccw(c9899.04,6092.28) 9924.19,6092.28 9924.19,6100.74 ccw(c9875.74,6100.74) v1(9910,6135)
  Inner1 w5.9: v1(9910,6135) ccw(c9875.32,6169.68) 9924.36,6169.68 9924.36,6860 cw(c10463.81,6860) 10045,7200 cw(c10625.04,6709.11) 10396.9,7433.93 11785,7870 cw(c11914.92,7456.97) 11915,7889.95 12549.88,7889.95 ccw(c12549.88,7890.12) 12550,7890 ccw(c12550,7905) 12565,7905 v1(12565,7910)
RX1-: F1.B20 U1.B12 | length 3956.7
  Top Layer w5.1: v1@9948.56,6134.93 ccw(c9983.49,6100) 9934.09,6100 9934.09,6092.28 ccw(c9959.24,6092.28) 9941.46,6074.49 cw(c9923.67,6056.7) 9948.83,6056.7 F1.B20@9948.83,5981.22
  Top Layer w5.9: v1(12565,7860.18) 12565,7860.01 ccw(c12580.01,7860.01) U1.B12@12580.01,7845
  Inner1 w5.9: v1(9948.63,6135) cw(c9983.3,6169.68) 9934.26,6169.68 9934.26,6384.18 9938.44,6388.35 9940.83,6388.35 9945,6392.52 9945,6399.18 9940.83,6403.35 9938.44,6403.35 9934.26,6407.52 9934.26,6860 cw(c10463.82,6860) 10052.56,7193.6 cw(c10625.05,6709.1) 10078.01,7222.17 10111.97,7256.13 cw(c10625.04,6709.11) 10399.87,7424.49 11787.97,7860.56 cw(c11914.92,7456.97) 11915,7880.05 12549.88,7880.05 cw(c12549.88,7879.88) 12550,7880 cw(c12550,7865) 12565,7865 v1(12565,7860.18)
RX2+: F1.B23 U1.A12 | length 3472.9
  Top Layer w5.1: F1.B23@10066.94,5981.22 10066.94,6056.7 cw(c10092.09,6056.7) 10074.3,6074.49 ccw(c10056.52,6092.28) 10081.67,6092.28 10081.67,6100.02 ccw(c10032.2,6100.02) v1(10067.18,6135)
  Top Layer w5.9: v1(12515,7860) ccw(c12530,7860) U1.A12@12530.01,7845
  Inner1 w5.9: v1(10067.18,6135) ccw(c10030.97,6171.21) 10082.18,6171.21 10082.18,6365 cw(c10353.59,6365) 10155,6550 10223.15,6617.14 10264.91,6665.3 10264.13,6676.29 10268.85,6681.73 10279.84,6682.52 10785,7265 cw(c11583.59,6563.64) 10975,7435 cw(c11817.72,6228.41) 11296.92,7604.93 11720,7765 cw(c12129.9,6681.6) 12130,7839.95 12499.88,7839.95 ccw(c12499.88,7840.12) 12500,7840 ccw(c12500,7855) 12515,7855 v1(12515,7860)
RX2-: F1.B24 U1.A11 | length 3472.4
  Top Layer w5.07: v1(12515,7806.3) ccw(c12531.48,7812.57) U1.A11@12530.01,7795
  Top Layer w5.1: F1.B24@10106.31,5981.22 10106.31,6056.7 ccw(c10081.15,6056.7) 10098.94,6074.49 cw(c10116.72,6092.28) 10091.57,6092.28 10091.57,6097.56 cw(c10144.52,6097.56) v1(10107.08,6135)
  Top Layer w5.9: v1(12515,7806.3) ccw(c12526.3,7806.3) 12526.3,7795 U1.A11@12530.01,7795
  Inner1 w5.9: v1(10107.08,6135) cw(c10143.29,6171.21) 10092.08,6171.21 10092.08,6365 cw(c10351.49,6365) 10160,6540 10230,6610 10792.44,7258.47 cw(c11583.59,6563.64) 10980.67,7426.88 cw(c11817.72,6228.41) 11300.42,7595.67 11723.5,7755.74 cw(c12129.9,6681.6) 12130,7830.05 12499.88,7830.05 cw(c12499.88,7829.88) 12500,7830 cw(c12500,7815) 12515,7815 v1(12515,7806.3)
RX3+: F1.B27 U1.C12 | length 3390.2
  Top Layer w5.07: v1(12615,7860) U1.C12@12630.01,7845
  Top Layer w5.1: F1.B27@10224.42,5981.22 10224.42,6056.7 cw(c10249.57,6056.7) 10231.78,6074.49 ccw(c10214,6092.28) 10239.15,6092.28 10239.15,6102.37 ccw(c10193.01,6102.37) v1(10225.63,6135)
  Inner1 w5.9: v1(10225.63,6135) ccw(c10191.49,6169.15) 10239.78,6169.15 10239.78,6295 cw(c10628.7,6295) 10303.34,6508.07 cw(c10312.24,6503.73) 10304.75,6510.21 10845,7135 cw(c11836.52,6277.64) 11230.14,7439.74 11690,7680 cw(c12053.31,6984.62) 11860,7745 cw(c12179.69,6487.49) 12180,7785 12519.68,7785 ccw(c12519.68,7834.06) 12554.37,7799.37 12583.56,7828.56 cw(c12598.99,7813.13) 12598.99,7834.95 12599.88,7834.95 ccw(c12599.88,7835.12) 12600,7835 ccw(c12600,7850) 12615,7850 v1(12615,7860)
RX3-: F1.B28 U1.C11 | length 3387.7
  Top Layer w5.07: v1(12615,7805.26) ccw(c12645.53,7833.82) U1.C11@12630.01,7795
  Top Layer w5.1: F1.B28@10263.79,5981.22 10263.79,6056.7 ccw(c10238.63,6056.7) 10256.42,6074.49 cw(c10274.2,6092.28) 10249.05,6092.28 10249.05,6099.34 cw(c10299.49,6099.34) v1(10263.82,6135)
  Inner1 w5.9: v1(10263.82,6135) cw(c10297.97,6169.15) 10249.68,6169.15 10249.68,6216.32 10253.85,6220.49 10260.83,6220.49 10265,6224.67 10265,6231.32 10260.83,6235.49 10253.85,6235.49 10249.68,6239.67 10249.68,6295 cw(c10628.7,6295) 10311.62,6502.64 ccw(c10303.34,6508.07) 10312.24,6503.73 10852.49,7128.52 cw(c11836.52,6277.64) 11234.72,7430.96 11694.58,7671.23 cw(c12053.31,6984.62) 11862.44,7735.41 cw(c12179.69,6487.49) 12180,7775.1 12519.68,7775.1 ccw(c12519.68,7834.06) 12561.37,7792.37 12590.56,7821.56 cw(c12598.99,7813.13) 12598.99,7825.05 12599.88,7825.05 cw(c12599.88,7824.88) 12600,7825 cw(c12600,7810) 12615,7810 v1(12615,7805.26)
RX4+: F1.B33 U1.B10 | length 3128.8
  Top Layer w5.07: v1(12570,7755) U1.B10@12580.01,7745
  Top Layer w5.1: F1.B33@10460.64,5981.22 10460.64,6056.7 cw(c10485.79,6056.7) 10468,6074.49 ccw(c10450.22,6092.28) 10475.37,6092.28 10475.37,6104.52 ccw(c10432.26,6104.52) v1(10462.74,6135)
  Inner1 w5.9: v1(10462.74,6135) ccw(c10429.97,6167.77) 10476.32,6167.77 10476.32,6265 cw(c11734.81,6265) 10490.21,6451.47 cw(c10821.83,6401.78) 10592.34,6646.28 11036.36,7187.99 cw(c11510.2,6799.06) 11210.15,7333.63 11784.45,7655.98 cw(c12162.94,6981.65) 12170.09,7754.9 ccw(c12235.01,14774.12) 12310,7755 12496.8,7755 cw(c12496.8,7723.13) 12519.34,7745.66 12520,7745 ccw(c12544.26,7769.26) 12544.26,7734.95 12554.88,7734.95 ccw(c12554.88,7735.12) 12555,7735 ccw(c12555,7750) 12570,7750 v1(12570,7755)
RX4-: F1.B34 U1.B9 | length 3131.2
  Top Layer w5.07: v1(12565,7709.01) cw(c12536.91,7663.86) U1.B9@12580.01,7695
  Top Layer w5.1: v1(10499.79,6135) ccw(c10534.85,6099.94) 10485.27,6099.94 10485.27,6092.28 ccw(c10510.42,6092.28) 10492.64,6074.49 cw(c10474.85,6056.7) 10500.01,6056.7 F1.B34@10500.01,5981.22
  Inner1 w5.9: v1(10499.79,6135) cw(c10532.56,6167.77) 10486.22,6167.77 10486.22,6222.31 10490.39,6226.48 10495.83,6226.48 10500,6230.65 10500,6237.31 10495.83,6241.48 10490.39,6241.48 10486.22,6245.65 10486.22,6265 cw(c11734.81,6265) 10500,6450 cw(c10821.83,6401.78) 10599.12,6639.06 ccw(c10592.34,6646.28) 10600,6640 11044.01,7181.71 cw(c11510.2,6799.06) 11215,7325 11789.3,7647.34 cw(c12162.94,6981.65) 12170,7745 ccw(c12234.98,14771.28) 12310,7745.1 12496.8,7745.1 cw(c12496.8,7723.13) 12512.34,7738.66 12513,7738 ccw(c12544.26,7769.26) 12544.26,7725.05 12554.88,7725.05 cw(c12554.88,7724.88) 12555,7725 cw(c12555,7715) 12565,7715 v1(12565,7709.01)
RX5+: F1.B37 U1.A9 | length 2880.7
  Top Layer w5.07: v1(12514.52,7709.01) cw(c12486.05,7661.96) U1.A9@12530.01,7695
  Top Layer w5.1: v1(10617.78,6135) cw(c10581.39,6098.61) 10632.85,6098.61 10632.85,6092.28 cw(c10607.7,6092.28) 10625.48,6074.49 ccw(c10643.27,6056.7) 10618.12,6056.7 F1.B37@10618.12,5981.22
  Inner1 w5.9: v1(10617.78,6135) ccw(c10578.76,6174.02) 10633.94,6174.02 10633.94,6255 cw(c11209.26,6255) 10660.56,6427.98 cw(c11036.98,6309.31) 10706.86,6525.64 11044.11,7012.55 cw(c11815.05,6477.91) 11309.67,7268.34 11775,7565 cw(c12137.99,7009.23) 12035,7665 cw(c12355,5627.43) 12355,7689.98 12500,7690 ccw(c12500,7704.52) 12514.52,7704.52 v1(12514.52,7709.01)
RX5-: F1.B38 U1.A8 | length 2879.9
  Top Layer w5.07: v1(12515,7660) U1.A8@12530.01,7645
  Top Layer w5.1: F1.B38@10657.49,5981.22 10657.49,6056.7 ccw(c10632.33,6056.7) 10650.12,6074.49 cw(c10667.9,6092.28) 10642.75,6092.28 10642.75,6095 cw(c10697.67,6095) 10658.84,6133.84 v1(10660,6135)
  Inner1 w5.9: v1(10660,6135) cw(c10699.02,6174.02) 10643.84,6174.02 10643.84,6202.64 10648.01,6206.81 10650.83,6206.81 10655,6210.99 10655,6217.64 10650.83,6221.81 10648.01,6221.81 10643.84,6225.99 10643.84,6255 cw(c11209.26,6255) 10670,6425 cw(c11037.07,6309.28) 10715,6520 11052.24,7006.91 cw(c11815.05,6477.91) 11315,7260 11780.41,7556.71 cw(c12137.99,7009.23) 12036.54,7655.22 cw(c12355,5627.43) 12355,7680.08 12499.82,7680.07 ; 12499.88,7680.05 cw(c12499.88,7679.88) 12500,7680 cw(c12500,7665) 12515,7665 v1(12515,7660)
RX6+: F1.B41 U1.C9 | length 2826.9
  Top Layer w5.07: v1(12620,7710.75) ccw(c12661.3,7725.95) U1.C9@12630.01,7695
  Top Layer w5.1: F1.B41@10775.6,5981.22 10775.6,6056.7 cw(c10800.75,6056.7) 10782.96,6074.49 ccw(c10765.18,6092.28) 10790.33,6092.28 10790.33,6105.09 ccw(c10748.03,6105.09) v1(10777.94,6135)
  Inner1 w5.9: v1(10777.94,6135) ccw(c10743.79,6169.15) 10792.08,6169.15 10792.08,6235 cw(c11371.52,6235) 10846.3,6479.73 cw(c12677.83,5484.66) 10956.83,6660.59 cw(c17061.03,2489.71) 11177.12,6966 cw(c11988.62,6348.63) 11420,7195 11437.43,7205.99 ccw(c9293.47,10473.22) 11720,7410 cw(c12571.47,6335.11) 11955,7560 cw(c12249.82,6974.22) 12250,7630.01 12529.99,7630.01 ccw(c12532.87,7672.74) 12575,7665 cw(c12604.95,7659.5) 12604.95,7689.95 ; 12605,7690 ccw(c12599.17,7710) 12620,7710 v1(12620,7710.75)